# KiCad board ovc5.kicad_pcb (continued)
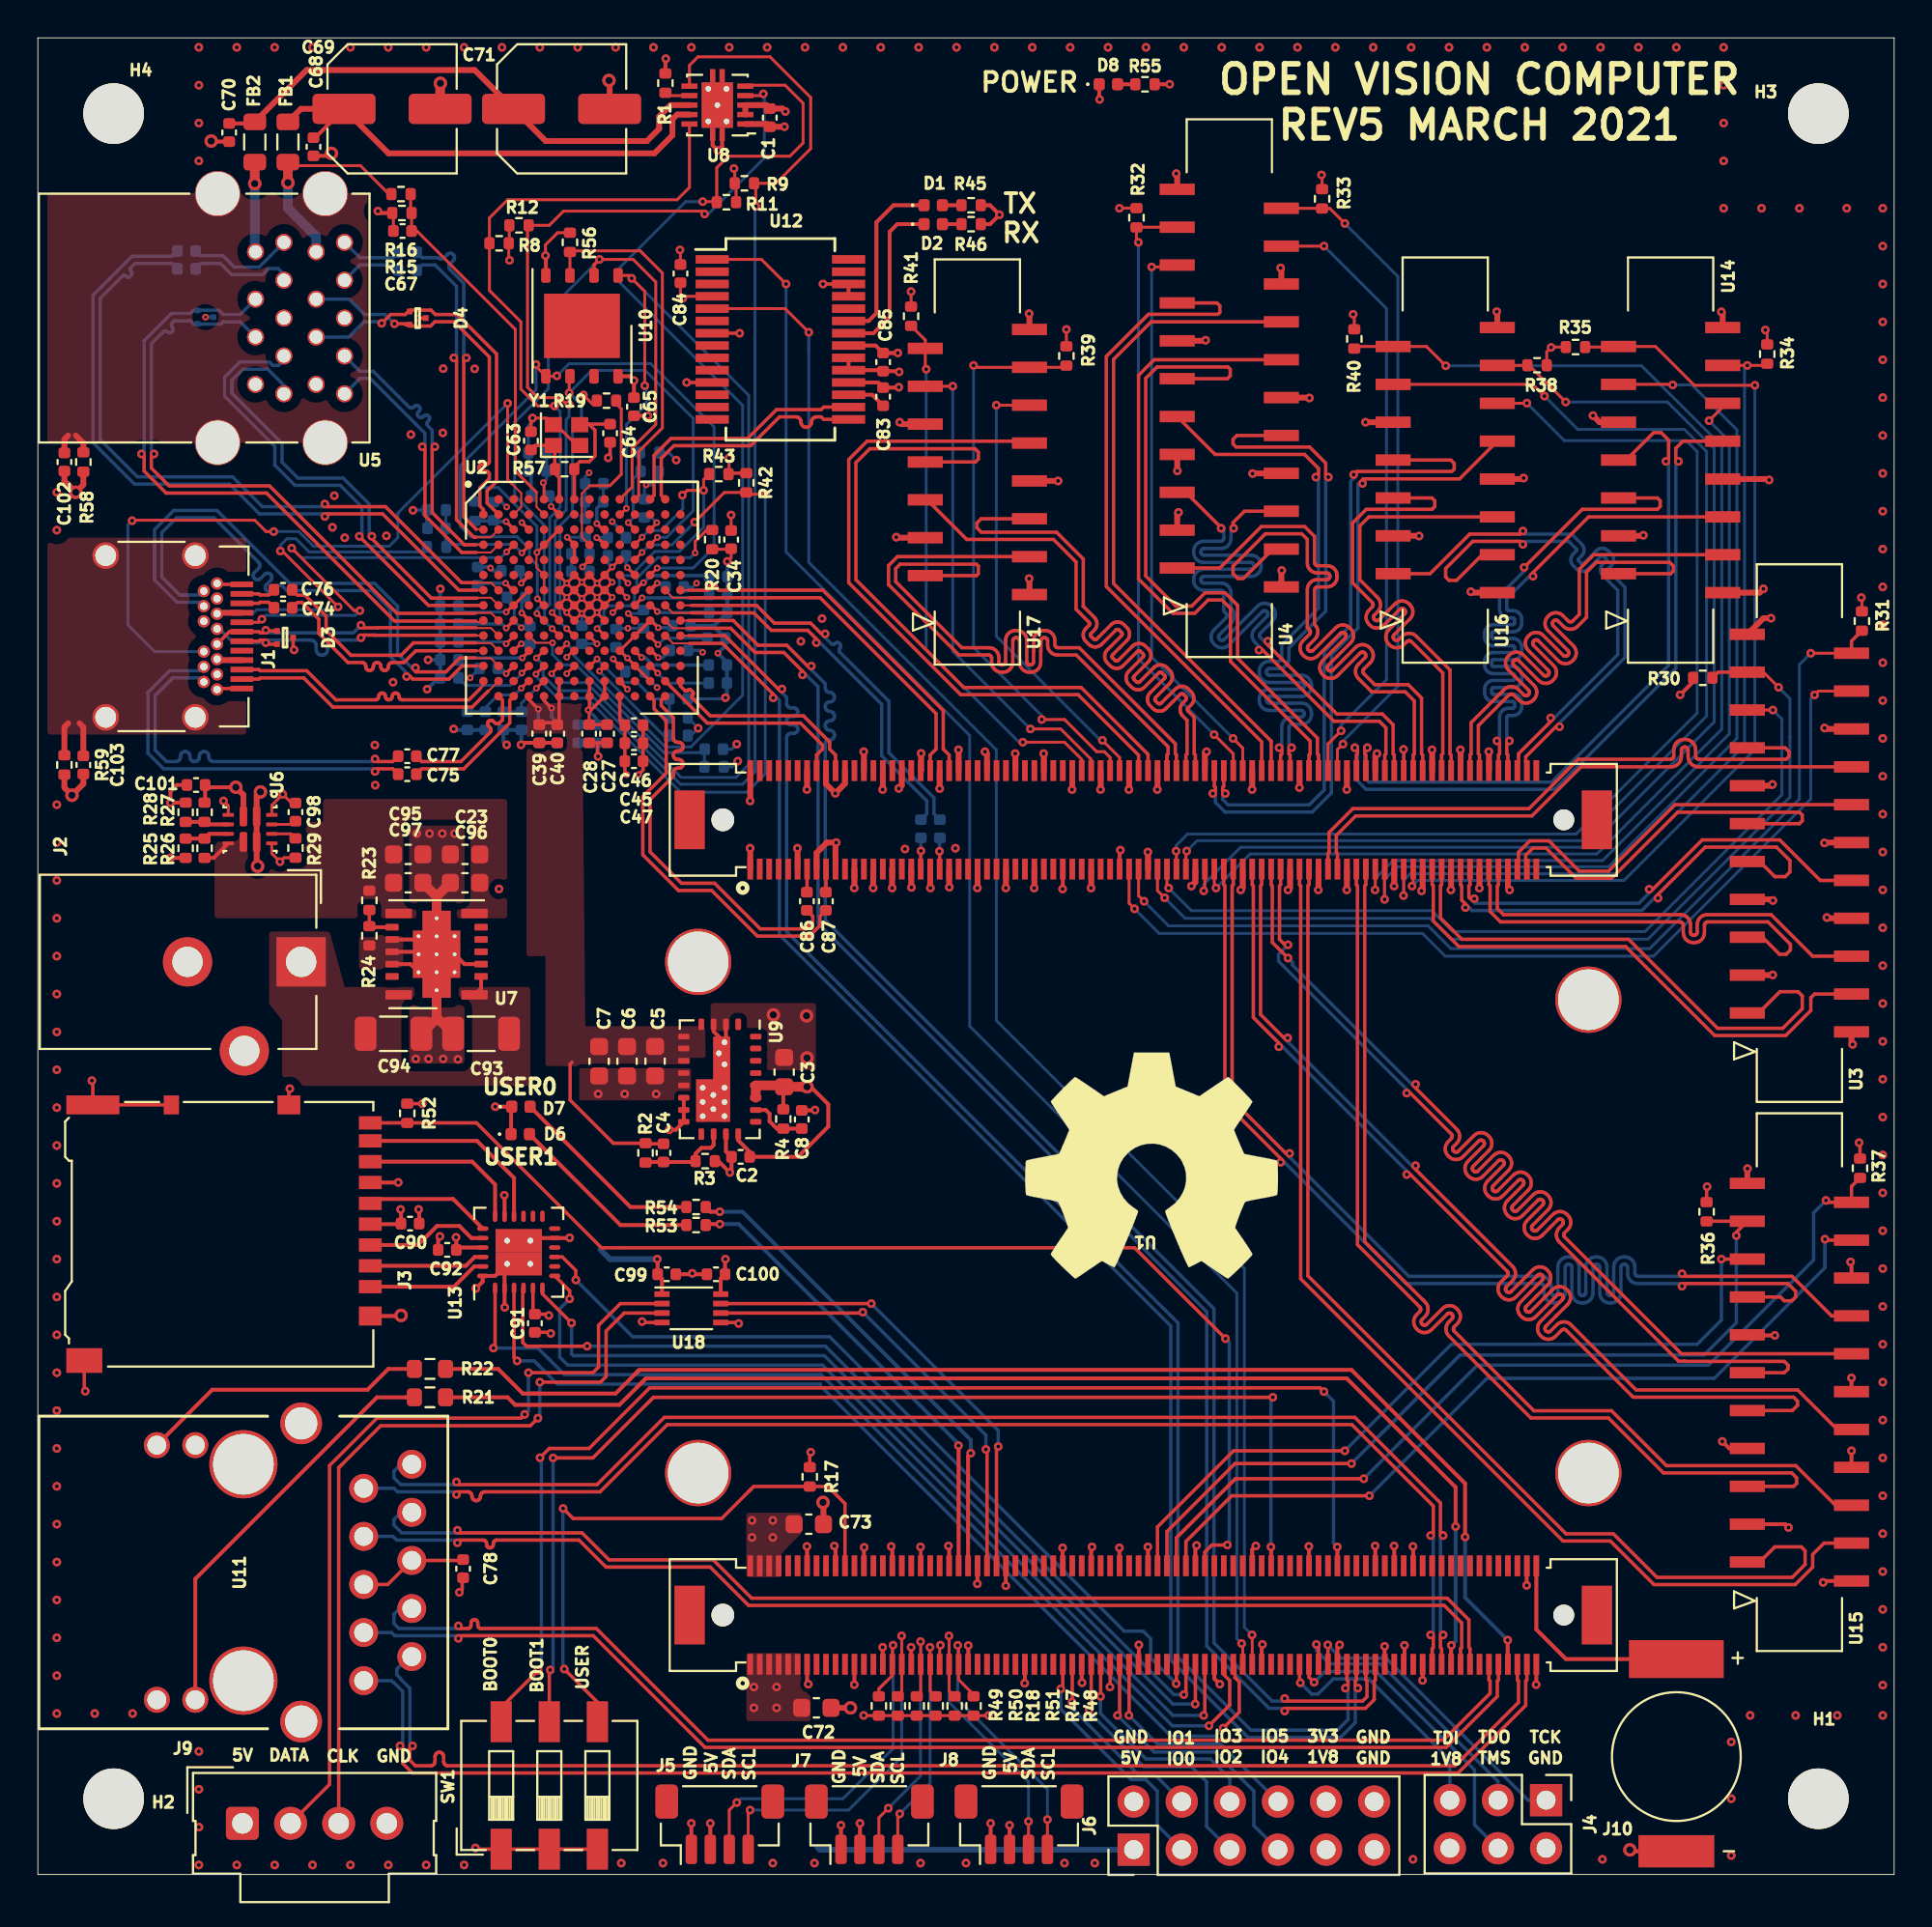
[diagram p0: board, top side]
## Routing (per net, layer and track width the routed paths; a pad name or vN(x,y) marks a point on that pad's centre or on a via; arc(x,y) is an arc through that point) (continued)
  Bottom w0.178: v1(20.96,75.41) 20.82,75.55 20.82,76.28 20.6,76.5 20.57,76.53 20.56,76.56 20.55,76.6 20.55,76.64 20.56,76.68 20.57,76.72 20.6,76.75 20.63,76.78 20.65,76.81 20.67,76.85 20.68,76.88 20.68,76.92 20.67,76.96 20.65,77 20.63,77.03 20.6,77.05 20.56,77.07 20.52,77.08 20.48,77.08 20.44,77.07 20.41,77.05 20.38,77.03 20.35,77 20.31,76.98 20.28,76.96 20.24,76.95 20.2,76.95 20.16,76.96 20.13,76.98 20.09,77 20.07,77.03 20.05,77.07 20.04,77.11 20.04,77.15 20.05,77.18 20.07,77.22 20.09,77.25 20.12,77.28 20.15,77.31 20.17,77.35 20.17,77.39 20.17,77.43 20.17,77.47 20.15,77.5 20.12,77.53 20.09,77.56 20.06,77.57 20.02,77.58 19.98,77.58 19.94,77.57 19.9,77.56 19.87,77.53 19.84,77.5 19.81,77.48 19.78,77.46 19.74,77.45 19.7,77.45 19.66,77.46 19.62,77.48 19.59,77.5 17.7,79.39 17,79.39 U5.15
/USB/USB_H0_TX_CONN_N: length 3.3
  Bottom w0.178: U5.17 17,85.01 18.76,85.01 C79.1
/USB/USB_H0_TX_CONN_P: length 3.3
  Bottom w0.178: U5.18 17,85.39 18.76,85.39 C81.1
/USB/USB_H0_TX_N: length 17.9
  Top w0.102: U2.C2 23.92,70.62 23.12,70.62
  Top w0.178: v1(21.96,80.1) 22.1,79.96 22.1,71.54 23.02,70.62 23.12,70.62
  Bottom w0.178: C79.2 20.29,85.01 20.97,85.01 22.1,83.88 22.1,80.24 v1(21.96,80.1)
/USB/USB_H0_TX_P: length 17.9
  Top w0.102: 23.14,71.05 23.5,71.05 U2.C1
  Top w0.178: v1(22.62,80.1) 22.48,79.96 22.48,71.7 23.14,71.05 23.14,71.05
  Bottom w0.178: C81.2 20.29,85.39 21.13,85.39 21.17,85.36 21.21,85.34 21.26,85.33 21.31,85.33 21.36,85.34 21.41,85.36 21.45,85.39 21.61,85.56 21.65,85.59 21.7,85.61 21.75,85.62 21.8,85.62 21.85,85.61 21.89,85.59 21.93,85.56 21.96,85.52 21.98,85.47 21.99,85.42 21.99,85.37 21.98,85.32 21.96,85.28 21.93,85.24 21.77,85.07 21.73,85.03 21.71,84.99 21.7,84.94 21.7,84.89 21.71,84.84 21.73,84.79 21.77,84.75 22.48,84.04 22.48,80.24 v1(22.62,80.1)
/USB/USB_H1_D_N: length 35.2
  Top w0.102: 23.12,66.2 23.17,66.15 23.44,66.15 U2.J1
  Top w0.178: 23.12,66.2 18.83,66.2 12.07,72.96 6.77,72.96 5.61,74.12 5.61,74.89 v1(5.47,75.03)
  Bottom w0.178: v1(5.47,75.03) 5.61,75.16 5.61,81 7.05,82.44 8.04,82.44 8.2,82.6 8.42,82.6 8.44,82.62 9.56,82.62 9.78,82.39 10.68,82.39 U5.2
/USB/USB_H1_D_P: length 35.2
  Top w0.102: 23.08,66.61 23.1,66.63 23.92,66.63 U2.J2
  Top w0.178: 23.08,66.61 18.96,66.61 12.23,73.34 6.93,73.34 5.99,74.28 5.99,74.89 v1(6.13,75.03)
  Bottom w0.178: v1(6.13,75.03) 5.99,75.16 5.99,80.85 6.61,81.47 6.64,81.49 6.67,81.51 6.71,81.52 6.75,81.52 6.78,81.51 6.82,81.49 6.87,81.45 6.91,81.43 6.94,81.42 6.98,81.42 7.02,81.43 7.05,81.45 7.08,81.47 7.1,81.49 7.12,81.52 7.14,81.55 7.14,81.59 7.14,81.62 7.14,81.66 7.12,81.69 7.07,81.75 7.06,81.78 7.05,81.82 7.05,81.85 7.06,81.89 7.07,81.92 7.1,81.95 7.2,82.06 8.04,82.06 8.2,81.9 8.42,81.9 8.44,81.88 9.66,81.88 9.78,82.01 10.68,82.01 U5.3
/USB/USB_H1_RX_N: length 24.8
  Top w0.102: U2.H2 23.92,67.43 23.19,67.43 23.17,67.41
  Top w0.178: v1(17.63,70.67) 17.63,70.55 20.78,67.41 23.17,67.41
  Bottom w0.178: v1(17.63,70.67) 17.49,70.81 17.49,72.38 16.12,73.75 13.73,73.75 12.89,74.59 12.89,75.58 10.24,78.23 10.24,78.92 10.66,79.34 10.67,79.34 10.82,79.5 12.14,79.5 12.99,78.65 U5.5
/USB/USB_H1_RX_P: length 25.1
  Top w0.102: U2.H1 23.22,67.03
  Top w0.178: U2.H1 20.62,67.03 v1(16.97,70.67)
  Bottom w0.178: v1(16.97,70.67) 17.11,70.81 17.11,72.22 15.96,73.37 13.57,73.37 12.51,74.43 12.51,75.42 9.86,78.07 9.86,79.08 10.66,79.88 12.22,79.88 12.4,79.7 12.7,79.7 12.99,79.99 U5.6
/USB/USB_H1_TX_CONN_N: length 5.6
  Bottom w0.178: U5.8 12.99,84.51 12.68,84.82 12.18,84.82 11.88,84.51 10.22,84.51 9.65,85.08 8.61,85.08 C80.1
/USB/USB_H1_TX_CONN_P: length 5.6
  Bottom w0.178: U5.9 11.68,84.89 10.38,84.89 9.77,85.5 8.58,85.5 C82.1
/USB/USB_H1_TX_N: length 37.2
  Top w0.102: 23.19,68.22 23.93,68.22 U2.G2
  Top w0.178: v1(15.15,72.38) 15.29,72.24 18.35,72.24 22.37,68.22 23.19,68.22
  Bottom w0.178: C80.2 7.09,85.08 5.13,85.08 4.92,84.88 4.9,84.85 4.89,84.82 4.88,84.79 4.88,84.75 4.89,84.72 4.9,84.69 4.94,84.63 4.96,84.6 4.97,84.57 4.97,84.54 4.96,84.5 4.94,84.47 4.92,84.44 4.89,84.41 4.86,84.39 4.83,84.37 4.8,84.37 4.76,84.37 4.73,84.37 4.7,84.39 4.64,84.43 4.61,84.45 4.58,84.45 4.55,84.45 4.51,84.45 4.48,84.43 4.45,84.41 3.29,83.25 3.29,75.78 5.25,73.82 10.28,73.82 11.85,72.24 15.01,72.24 v1(15.15,72.38)
/USB/USB_H1_TX_P: length 37.2
  Top w0.102: U2.G1 23.19,67.83
  Top w0.178: v1(15.15,71.72) 15.29,71.86 18.2,71.86 22.23,67.83 23.19,67.83
  Bottom w0.178: v1(15.15,71.72) 15.01,71.86 11.7,71.86 10.12,73.43 5.1,73.43 2.91,75.62 2.91,83.4 4.97,85.47 7.09,85.47 C82.2
/USB/USB_I2C_SCL: length 39.2
  Top w0.152: 35.98,72.73 35.83,72.58 ; 35.83,72.58 36.24,72.99 R42.2 37.49,72.9 v1(38.4,72.9) ; 35.83,72.58 v1(34.67,71.42) ; v2(31.9,69.82) 31.52,69.45 U2.E11 ; U2.M5 26.72,63.82 v2(26.3,63.4)
  Bottom w0.152: v2(26.3,63.4) 26.3,63.28 27.45,62.12 28.98,62.12 33.94,57.16 37.43,57.16 38.4,58.13 v1(38.4,72.9) ; v1(34.67,71.42) 33.47,70.22 32.3,70.22 v2(31.9,69.82)
/USB/USB_I2C_SDA: length 15.6
  Top w0.152: v2(31.1,67.45) 30.72,67.82 U2.G10 ; R43.2 35.15,73.67 v1(35.15,73.1) 34.28,73.1 v1(34.03,72.85) ; U2.D11 31.52,70.25 v2(31.9,70.62)
  Bottom w0.152: v1(35.15,73.1) 35.15,71.15 33.88,69.88 32.58,69.88 31.3,68.6 30.9,68.6 30.7,68.4 30.7,67.85 31.1,67.45 v2(31.1,67.45) 31.1,67.55 ; v1(34.03,72.85) 34.05,72.83 34.05,72.13 32.9,70.97 32.25,70.97 v2(31.9,70.62)
/USB/USB_SP_nWP: length 19.4
  Top w0.152: U2.A11 31.72,72.83 31.72,75.15 32.97,76.4 32.97,84.58 31.97,85.58 ; 31.97,85.58 31.8,85.75 28.15,85.75 R56.1 U10.3 ; 31.97,85.58 31.83,85.72
/USB/USB_SPI_CLK: length 30.8
  Top w0.152: v1(28.05,78.25) 28.05,79.09 U10.6 ; v2(32.71,70.62) 32.32,70.23 U2.D12 ; U2.K7 28.29,65.43 v2(27.92,65.8)
  Bottom w0.152: v2(32.71,70.62) 33.19,70.62 34.6,72.03 34.6,76.9 32.06,79.44 29.24,79.44 v1(28.05,78.25) 28.7,77.6 28.7,76.96 28.22,76.49 28.22,71.9 27.57,71.24 27.57,66.15 v2(27.92,65.8)
/USB/USB_SPI_CS: length 55.9
  Top w0.152: U2.B10 30.75,71.83 v2(31.07,72.15) ; U10.1 31.2,84.45 v1(31.35,84.3) 32.04,83.61 v1(32.04,78.63) ; U2.M6 27.52,63.82 v2(27.12,63.42)
  Bottom w0.152: v2(27.12,63.42) 27.59,62.95 28.95,62.95 33.96,57.94 36.85,57.94 37.53,58.62 37.53,78.12 v1(31.35,84.3) ; v2(31.07,72.15) 31.07,76.58 32.12,77.63 32.12,78.55 v1(32.04,78.63)
/USB/USB_SPI_DI: length 39.4
  Top w0.152: v2(32.7,69) 32.33,68.63 U2.F12 ; U2.H5 26.72,67.03 v2(26.37,67.37) ; v1(26.3,79.75) 26.3,79.65 U10.5 27.38,79.13 v1(27.4,79.15)
  Bottom w0.152: v1(26.3,79.75) 26.3,78.41 22.3,74.41 22.3,71.2 22.85,70.65 25.3,70.65 25.95,70 25.95,69.55 26.37,69.13 v2(26.37,67.37) ; v2(32.7,69) 34.6,69 35.7,70.1 35.7,76.45 32.36,79.79 28.04,79.79 v1(27.4,79.15)
/USB/USB_SPI_DO: length 38.6
  Top w0.152: U2.J5 26.72,66.23 v2(26.35,66.6) ; U2.A10 31.37,73.28 31.37,75.33 32.62,76.58 32.62,84.1 31.42,85.3 v1(29.65,85.3)
  Top w0.178: v1(29.65,85.3) 29.36,85.01 U10.2
  Bottom w0.152: v1(29.65,85.3) 26.95,82.6 26.95,78.47 25.17,76.69 25.17,72.83 26.73,71.27 26.73,67.18 26.35,66.8 v2(26.35,66.6)
/USB/USB_US0_CC1: length 9.2
  Top w0.102: U2.D8 28.72,70.63 28.72,72.94 29.12,73.35
  Top w0.152: 30.53,77.67 30.8,77.41 30.8,73.95 30.2,73.35 29.12,73.35
/USB/USB_US1_CC1: length 10.1
  Top w0.152: v2(34.7,69.8) 34.7,70.4 35.31,71.01 R20.1 ; v2(29.52,65.8) 29.55,65.8 U2.K9
  Bottom w0.152: v2(29.52,65.8) 29.88,66.15 29.88,66.78 30.11,67.01 31.26,67.01 31.5,67.25 31.5,67.67 31.62,67.79 31.62,68.45 32.72,69.55 34.45,69.55 v2(34.7,69.8)
/USB/USBEN0: length 41.5
  Top w0.152: v1(38.3,94.04) 38.21,93.95 U8.4 ; v1(28.04,77.64) 27.91,77.64 27.55,78 26.4,78 25.85,78.55 25.85,87.04 R12.2 27,87.1 27.75,87.85 35.05,87.85 v1(35.2,87.7) ; v2(27.15,66.65) 27.52,66.28 U2.J6
  Bottom w0.152: v1(28.04,77.64) 28.04,76.99 27.89,76.84 27.89,72.07 27.31,71.49 27.31,66.81 v2(27.15,66.65) ; v1(38.3,94.04) 38.35,93.99 38.35,90.65 35.4,87.7 v1(35.2,87.7)
/USB/USBEN1: length 57.7
  Top w0.152: U8.5 37.4,94.5 39.45,94.5 40.4,93.55 40.4,91.45 39.7,90.75 36.45,90.75 35.84,90.14 R11.2 35.81,88.35 v1(35.1,88.35) ; U2.L6 27.55,64.63 v2(27.92,65)
  Bottom w0.152: v1(35.1,88.35) 34.2,88.35 30.75,84.9 30.75,84.05 37.21,77.59 37.21,62.29 34.47,59.55 33.13,59.55 28.28,64.4 28.28,64.64 v2(27.92,65)
/USB/XRES_DMC: length 4.5
  Top w0.152: v2(31.17,71.4) 31.52,71.05 U2.C11
  Bottom w0.152: 31.79,74.3 31.79,75.25 31.84,75.3 ; C10.1 31.42,73.7 31.42,72.32 31.43,72.32 31.43,71.65 v2(31.17,71.4)
/USB/XRES_PD: length 13.5
  Top w0.102: U2.K4 26.3,65.05 27.17,65.05 v2(27.17,65.05)
  Bottom w0.152: 32.87,59.43 33.05,59.25 35.03,59.25 C11.1 35.19,59.41 R7.2 ; 32.87,59.43 28.42,63.88 27.71,63.88 27.17,64.43 v2(27.17,65.05) ; 32.87,59.43 32.65,59.65
BOOT_MODE0: length 67.3
  Top w0.178: SW1.6 24.46,8.82 v1(26.41,10.77) ; v1(26.51,22.01) 27,22.5 29.1,22.5 32.3,25.7 67.7,25.7 v1(67.9,25.5)
  Top w0.203: v1(68.6,17.3) 68.61,17.29 U1.A126
  Bottom w0.178: v1(26.51,22.01) 26.58,21.94 26.58,10.94 v1(26.41,10.77) ; v1(67.9,25.5) 68.4,25 68.4,17.5 v1(68.6,17.3)
BOOT_MODE1: length 62.9
  Top w0.178: v1(27.05,10.8) 27,10.75 SW1.5 ; v1(65.2,25.2) 32.5,25.2 ; 32.5,25.2 32.08,24.78 ; 32.5,25.2 29.3,22 v1(27.2,22)
  Top w0.203: U1.A112 65.11,17.29 v1(65.1,17.3)
  Bottom w0.178: v1(65.2,25.2) 65.1,25.1 v1(65.1,17.3) ; v1(27.05,10.8) 27.2,10.95 v1(27.2,22)
CAM0_CLK+: length 31.9
  Top w0.178: U3.16 92.25,59.5 92.45,59.3 92.45,59.05 92.3,58.9 87.7,58.9 87.66,58.9 87.62,58.92 87.59,58.94 87.56,58.97 87.54,59 87.53,59.04 87.52,59.08 87.52,59.4 87.51,59.53 87.47,59.64 87.4,59.74 87.32,59.83 87.21,59.9 87.1,59.94 86.98,59.95 86.91,59.95 86.79,59.94 86.67,59.9 86.57,59.83 86.49,59.74 86.42,59.64 86.38,59.53 86.37,59.4 86.37,59.08 86.36,59.04 86.35,59 86.33,58.97 86.3,58.94 86.27,58.92 86.23,58.9 86.19,58.9 81.33,58.9 78.72,56.29 69.42,56.29 68.17,55.04 68.17,53.98 68.11,53.93 U1.B123
CAM0_CLK-: length 32
  Top w0.178: U1.B125 68.61,53.93 68.55,53.98 68.55,54.88 69.58,55.91 78.88,55.91 81.47,58.5 86.22,58.5 86.34,58.51 86.46,58.55 86.56,58.62 86.65,58.7 86.71,58.81 86.75,58.92 86.77,59.04 86.77,59.37 86.77,59.41 86.78,59.45 86.81,59.48 86.83,59.51 86.87,59.53 86.9,59.54 86.94,59.55 86.98,59.54 87.02,59.53 87.06,59.51 87.08,59.48 87.1,59.45 87.12,59.41 87.12,59.37 87.12,59.04 87.14,58.92 87.18,58.81 87.24,58.7 87.33,58.62 87.43,58.55 87.55,58.51 87.67,58.5 U3.15
CAM0_DAT0+: length 24.4
  Top w0.178: U3.10 90.9,53.5 91.7,52.7 92.25,52.7 92.5,52.95 92.5,53.55 91.79,54.26 88.03,54.26 85.53,51.76 v1(85.53,51.57) ; U1.B151 75.11,52.28 75.17,52.22 75.17,51.46 75.37,51.26 v1(75.37,51.07)
  Bottom w0.178: v1(75.37,51.07) 75.56,51.07 75.72,50.91 84.68,50.91 85.34,51.57 v1(85.53,51.57)
CAM0_DAT0-: length 24.3
  Top w0.178: v1(85.07,52.03) 85.26,52.03 87.87,54.64 91.96,54.64 94.1,52.5 U3.9 ; U1.B153 75.61,52.28 75.55,52.22 75.55,51.62 75.64,51.53 v1(75.83,51.53)
  Bottom w0.178: v1(85.07,52.03) 85.07,51.84 84.52,51.29 75.88,51.29 75.83,51.34 v1(75.83,51.53)
CAM0_DAT1+: length 20.9
  Top w0.178: 78.11,53.5 78.17,53.56 ; 78.11,53.5 U1.B163 ; 78.11,53.5 78.17,53.56 78.17,53.88 78.17,53.89 78.17,53.99 78.77,54.59 79.78,54.59 81.38,52.99 82.92,52.99 86.43,56.5 U3.13
CAM0_DAT1-: length 21
  Top w0.178: 78.61,53.5 78.55,53.56 78.55,53.83 78.93,54.21 79.62,54.21 81.22,52.61 83.08,52.61 86.57,56.1 93,56.1 93.15,55.95 93.15,55.65 93,55.5 U3.12 ; 78.61,53.5 78.55,53.56 ; 78.61,53.5 U1.B165
CAM0_DAT2+: length 24
  Top w0.178: U1.B157 76.61,52.28 76.67,52.22 76.67,50.86 77.22,50.31 86.69,50.31 86.73,50.31 86.77,50.29 86.8,50.27 86.83,50.24 86.85,50.21 86.86,50.17 86.87,50.13 86.87,49.74 86.88,49.63 86.92,49.52 86.98,49.42 87.07,49.33 87.17,49.27 87.28,49.23 87.39,49.22 87.46,49.22 87.58,49.23 87.69,49.27 87.79,49.33 87.87,49.42 87.93,49.52 87.97,49.63 87.99,49.74 87.99,50.13 87.99,50.17 88,50.21 88.02,50.24 88.05,50.27 88.09,50.29 88.12,50.31 88.16,50.31 91.34,50.31 92.53,49.12 92.53,48.83 92.3,48.6 91.95,48.6 91.05,49.5 U3.6 89.7,49.5
CAM0_DAT2-: length 23.4
  Top w0.178: U1.B159 77.11,52.28 77.05,52.22 77.05,51.02 77.38,50.69 86.72,50.69 86.84,50.68 86.95,50.64 87.05,50.58 87.13,50.49 87.2,50.39 87.24,50.28 87.25,50.16 87.25,49.78 87.25,49.74 87.27,49.7 87.29,49.67 87.32,49.64 87.35,49.62 87.39,49.6 87.43,49.6 87.47,49.6 87.5,49.62 87.54,49.64 87.57,49.67 87.59,49.7 87.6,49.74 87.6,49.78 87.6,50.16 87.62,50.28 87.66,50.39 87.72,50.49 87.8,50.58 87.9,50.64 88.01,50.68 88.13,50.69 91.51,50.69 93.7,48.5 U3.5
CAM0_DAT3+: length 28.7
  Top w0.178: U1.B145 73.61,52.28 73.67,52.22 73.67,50.36 75.02,49.01 83.82,49.01 88.52,44.31 92.28,44.31 93.6,45.63 93.6,46.3 93.8,46.5 U3.3
CAM0_DAT3-: length 28.7
  Top w0.178: U1.B147 74.11,52.28 74.05,52.22 74.05,50.52 75.18,49.39 83.98,49.39 88.68,44.69 92.12,44.69 93.15,45.72 93.15,46.4 92.92,46.62 91.97,46.62 90.85,45.5 U3.2
CAM0_ENABLE: length 43.5
  Top w0.152: v1(59.7,52.1) 59.61,52.19 U1.B89 ; v1(91.6,61.5) U3.18
  Bottom w0.152: 92.08,57.03 91.97,56.92 ; 92.08,57.03 92.08,61.02 v1(91.6,61.5) ; 92.08,57.03 84.85,49.8 74.7,49.8 73.6,50.9 60.9,50.9 v1(59.7,52.1)
CAM0_SCL: length 48.8
  Top w0.152: U1.B87 59.11,51.96 v1(59.49,51.58) ; U3.20 91.1,63.5 v1(91.9,62.7)
  Top w0.178: R30.2 88.71,63.5 U3.20
  Bottom w0.152: v1(59.49,51.58) 60.57,50.5 73.5,50.5 74.6,49.4 85,49.4 92.5,56.9 92.5,60.1 ; 92.5,60.1 92.5,60 ; 92.5,60.1 92.5,62.1 v1(91.9,62.7)
CAM0_SDA: length 52.2
  Top w0.152: v1(93.6,64.5) U3.21 ; v1(58.4,51.4) 58.11,51.69 U1.B83
  Top w0.178: U3.21 95.75,65.14 R31.2
  Bottom w0.152: v1(58.4,51.4) 59.7,50.1 73.4,50.1 74.6,48.9 85.1,48.9 93,56.8 93,63.9 v1(93.6,64.5)
CAM0_TRIGGER: length 50
  Top w0.152: U1.B81 57.61,51.29 v1(57.9,51) ; v1(93.8,62.3) 94,62.5 U3.19
  Bottom w0.152: v1(57.9,51) 59.2,49.7 73.1,49.7 74.3,48.5 85.3,48.5 93.6,56.8 93.6,62.1 v1(93.8,62.3)
CAM1_CLK+: length 34.9
  Top w0.178: U4.16 62.25,83 62.4,82.85 62.4,82.5 62.3,82.4 58.63,82.4 56.41,80.18 56.41,68.02 64.61,59.82 U1.B110
CAM1_CLK-: length 34.8
  Top w0.178: U1.B112 65.11,59.86 56.79,68.18 56.79,80.02 58.77,82 U4.15
CAM1_DAT0+: length 33.6
  Top w0.178: U1.B114 65.61,59.13 65.67,59.18 65.67,59.37 v1(65.53,59.51) ; v1(67.47,73.8) 67.61,73.94 67.61,74.26 66.87,75 62.15,75 U4.10
  Bottom w0.178: v1(67.47,73.8) 67.61,73.66 67.61,66.88 65.67,64.94 65.67,64.25 65.67,64.21 65.65,64.17 65.63,64.14 65.6,64.11 65.57,64.09 65.53,64.08 65.49,64.07 65.01,64.07 64.89,64.06 64.78,64.02 64.68,63.96 64.59,63.87 64.53,63.77 64.49,63.66 64.48,63.55 64.48,63.48 64.49,63.36 64.53,63.25 64.59,63.15 64.68,63.07 64.78,63.01 64.89,62.97 65.01,62.96 66.68,62.96 66.72,62.95 66.76,62.94 66.79,62.92 66.82,62.89 66.84,62.85 66.86,62.82 66.86,62.78 66.86,62.74 66.84,62.7 66.82,62.67 66.79,62.64 66.76,62.62 66.72,62.6 66.68,62.6 65.01,62.6 64.89,62.59 64.78,62.55 64.68,62.48 64.59,62.4 64.53,62.3 64.49,62.19 64.48,62.07 64.48,62.01 64.49,61.89 64.53,61.78 64.59,61.68 64.68,61.6 64.78,61.53 64.89,61.5 65.01,61.48 66.68,61.48 66.72,61.48 66.76,61.46 66.79,61.44 66.82,61.41 66.84,61.38 66.86,61.34 66.86,61.3 66.86,61.26 66.84,61.23 66.82,61.19 66.79,61.17 66.76,61.14 66.72,61.13 66.68,61.13 66.2,61.13 66.08,61.11 65.97,61.07 65.87,61.01 65.78,60.93 65.72,60.83 65.68,60.72 65.67,60.6 65.67,59.65 v1(65.53,59.51)
CAM1_DAT0-: length 33.5
  Top w0.178: v1(68.13,73.8) 67.99,73.94 67.99,74.54 67.14,75.39 63.26,75.39 63.1,75.55 63.1,75.8 63.3,76 U4.9 ; U1.B116 66.11,59.13 66.05,59.18 66.05,59.37 v1(66.19,59.51)
  Bottom w0.178: v1(68.13,73.8) 67.99,73.66 67.99,66.72 66.05,64.78 66.05,64.22 66.04,64.1 66,63.99 65.94,63.89 65.85,63.81 65.75,63.74 65.64,63.7 65.52,63.69 65.04,63.69 65,63.69 64.96,63.67 64.93,63.65 64.9,63.62 64.88,63.59 64.86,63.55 64.86,63.51 64.86,63.47 64.88,63.44 64.9,63.4 64.93,63.37 64.96,63.35 65,63.34 65.04,63.34 66.71,63.34 66.83,63.32 66.94,63.28 67.04,63.22 67.13,63.14 67.19,63.04 67.23,62.93 67.24,62.81 67.24,62.75 67.23,62.63 67.19,62.52 67.13,62.42 67.04,62.33 66.94,62.27 66.83,62.23 66.71,62.22 65.04,62.22 65,62.21 64.96,62.2 64.93,62.18 64.9,62.15 64.88,62.12 64.86,62.08 64.86,62.04 64.86,62 64.88,61.96 64.9,61.93 64.93,61.9 64.96,61.88 65,61.87 65.04,61.86 66.71,61.86 66.83,61.85 66.94,61.81 67.04,61.75 67.13,61.66 67.19,61.56 67.23,61.45 67.24,61.34 67.24,61.27 67.23,61.15 67.19,61.04 67.13,60.94 67.04,60.86 66.94,60.8 66.83,60.76 66.71,60.75 66.23,60.75 66.19,60.74 66.15,60.73 66.12,60.71 66.09,60.68 66.07,60.64 66.05,60.61 66.05,60.57 66.05,59.65 v1(66.19,59.51)
CAM1_DAT1+: length 35
  Top w0.178: U1.B120 67.11,59.13 67.17,59.18 67.17,59.86 62.96,64.07 62.96,66.87 62.52,67.31 61.78,67.31 61.08,66.61 59.92,66.61 58.11,68.42 58.11,79.18 58.93,80 U4.13
CAM1_DAT1-: length 35
  Top w0.178: U1.B122 67.61,59.13 67.55,59.18 67.55,60.02 63.34,64.23 63.34,67.03 62.68,67.69 61.62,67.69 60.92,66.99 60.08,66.99 58.49,68.58 58.49,79.02 59.09,79.62 62.83,79.62 62.95,79.5 62.95,79.15 62.8,79 U4.12
CAM1_DAT2+: length 34.8
  Top w0.178: U1.B136 71.11,59.13 71.17,59.18 71.17,60.56 70.82,60.91 68.42,60.91 64.66,64.67 v1(64.47,64.67) ; v1(62.47,71.1) 62.47,71.13 60.6,73 U4.6
  Bottom w0.178: v1(62.47,71.1) 62.61,70.96 62.61,70.59 62.61,70.55 62.59,70.51 62.57,70.48 62.54,70.45 62.51,70.43 62.47,70.42 62.43,70.41 61.55,70.41 61.43,70.4 61.32,70.36 61.22,70.3 61.13,70.21 61.07,70.11 61.03,70 61.02,69.89 61.02,69.82 61.03,69.7 61.07,69.59 61.13,69.49 61.22,69.41 61.32,69.35 61.43,69.31 61.55,69.3 64.02,69.3 64.06,69.29 64.1,69.28 64.13,69.26 64.16,69.23 64.18,69.19 64.2,69.16 64.2,69.12 64.2,69.08 64.18,69.04 64.16,69.01 64.13,68.98 64.1,68.96 64.06,68.94 64.02,68.94 61.55,68.94 61.43,68.93 61.32,68.89 61.22,68.82 61.13,68.74 61.07,68.64 61.03,68.53 61.02,68.41 61.02,68.35 61.03,68.23 61.07,68.12 61.13,68.02 61.22,67.94 61.32,67.87 61.43,67.84 61.55,67.82 62.43,67.82 62.47,67.82 62.51,67.8 62.54,67.78 62.57,67.75 62.59,67.72 62.61,67.68 62.61,67.64 62.61,66.72 62.72,66.61 62.75,66.58 62.76,66.54 62.77,66.5 62.77,66.46 62.76,66.43 62.75,66.39 62.72,66.36 62.09,65.73 62.02,65.64 61.97,65.53 61.94,65.42 61.94,65.3 61.97,65.19 62.02,65.08 62.09,64.99 62.14,64.94 62.23,64.87 62.34,64.82 62.45,64.79 62.57,64.79 62.69,64.82 62.79,64.87 62.88,64.94 64.64,66.69 64.67,66.72 64.7,66.73 64.74,66.74 64.78,66.74 64.82,66.73 64.86,66.72 64.89,66.69 64.91,66.66 64.93,66.63 64.94,66.59 64.94,66.55 64.93,66.51 64.91,66.47 64.89,66.44 64.26,65.81 64.19,65.72 64.14,65.62 64.11,65.5 64.11,65.38 64.14,65.27 64.19,65.16 64.26,65.07 64.47,64.86 v1(64.47,64.67)
CAM1_DAT2-: length 34.8
  Top w0.178: v1(64.93,65.13) 64.93,64.94 68.58,61.29 70.98,61.29 71.55,60.72 71.55,59.18 71.61,59.13 U1.B138 ; U4.5 63.7,72 63.1,71.4 63.1,71.13 v1(63.13,71.1)
  Bottom w0.178: v1(64.93,65.13) 64.74,65.13 64.55,65.32 64.53,65.35 64.51,65.38 64.5,65.42 64.5,65.46 64.51,65.5 64.53,65.54 64.55,65.57 65.18,66.19 65.25,66.29 65.3,66.39 65.33,66.51 65.33,66.63 65.3,66.74 65.25,66.85 65.18,66.94 65.13,66.98 65.04,67.06 64.94,67.11 64.82,67.14 64.7,67.14 64.59,67.11 64.48,67.06 64.39,66.98 62.64,65.23 62.61,65.21 62.57,65.19 62.53,65.18 62.49,65.18 62.45,65.19 62.42,65.21 62.39,65.23 62.36,65.26 62.34,65.3 62.34,65.34 62.34,65.38 62.34,65.42 62.36,65.45 62.39,65.48 63.01,66.11 63.09,66.2 63.14,66.31 63.16,66.42 63.16,66.54 63.14,66.66 63.09,66.76 63.01,66.86 62.99,66.88 62.99,67.68 62.98,67.79 62.94,67.9 62.88,68 62.79,68.09 62.69,68.15 62.58,68.19 62.46,68.2 61.58,68.2 61.54,68.21 61.5,68.22 61.47,68.24 61.44,68.27 61.42,68.3 61.4,68.34 61.4,68.38 61.4,68.42 61.42,68.46 61.44,68.49 61.47,68.52 61.5,68.54 61.54,68.55 61.58,68.56 64.05,68.56 64.17,68.57 64.28,68.61 64.38,68.67 64.47,68.76 64.53,68.86 64.57,68.97 64.58,69.09 64.58,69.15 64.57,69.27 64.53,69.38 64.47,69.48 64.38,69.56 64.28,69.62 64.17,69.66 64.05,69.68 61.58,69.68 61.54,69.68 61.5,69.69 61.47,69.71 61.44,69.74 61.42,69.78 61.4,69.81 61.4,69.85 61.4,69.89 61.42,69.93 61.44,69.96 61.47,69.99 61.5,70.01 61.54,70.03 61.58,70.03 62.46,70.03 62.58,70.04 62.69,70.08 62.79,70.15 62.88,70.23 62.94,70.33 62.98,70.44 62.99,70.56 62.99,70.96 v1(63.13,71.1)
CAM1_DAT3+: length 33.8
  Top w0.178: U4.3 65.2,70 63.65,68.45 63.35,68.45 63.1,68.7 63.1,69.1 64.81,70.81 66.72,70.81 67.02,70.51 67.02,69.27 67.03,69.15 67.07,69.04 67.13,68.94 67.22,68.86 67.32,68.79 67.43,68.75 67.55,68.74 68.03,68.74 68.07,68.74 68.11,68.72 68.14,68.7 68.17,68.67 68.19,68.64 68.21,68.6 68.21,68.56 68.21,68.52 68.19,68.49 68.17,68.45 68.14,68.42 68.11,68.4 68.07,68.39 68.03,68.39 67.55,68.39 67.43,68.37 67.32,68.33 67.22,68.27 67.13,68.19 67.07,68.09 67.03,67.98 67.02,67.86 67.02,65.86 67.13,65.75 67.16,65.72 67.17,65.68 67.18,65.64 67.18,65.6 67.17,65.57 67.16,65.53 67.13,65.5 66.79,65.15 66.71,65.06 66.66,64.96 66.64,64.84 66.64,64.72 66.66,64.61 66.71,64.5 66.79,64.41 66.83,64.36 66.93,64.29 67.03,64.24 67.15,64.21 67.26,64.21 67.38,64.24 67.49,64.29 67.58,64.36 68.76,65.55 68.79,65.57 68.83,65.59 68.87,65.6 68.91,65.6 68.95,65.59 68.98,65.57 69.01,65.55 69.04,65.52 69.06,65.48 69.07,65.44 69.07,65.4 69.06,65.37 69.04,65.33 69.01,65.3 67.83,64.11 67.76,64.02 67.7,63.91 67.68,63.8 67.68,63.68 67.7,63.57 67.76,63.46 67.83,63.37 67.87,63.32 67.97,63.25 68.07,63.2 68.19,63.17 68.31,63.17 68.42,63.2 68.53,63.25 68.62,63.32 69.8,64.51 69.84,64.53 69.87,64.55 69.91,64.56 69.95,64.56 69.99,64.55 70.03,64.53 70.06,64.51 70.08,64.48 70.1,64.44 70.11,64.4 70.11,64.36 70.1,64.32 70.08,64.29 70.06,64.26 69.71,63.91 69.64,63.82 69.59,63.71 69.56,63.6 69.56,63.48 69.59,63.37 69.64,63.26 69.71,63.17 70.42,62.46 72.19,62.46 72.67,61.98 72.67,59.18 72.61,59.13 U1.B142
CAM1_DAT3-: length 33.9
  Top w0.178: U1.B144 73.11,59.13 73.05,59.18 73.05,62.14 72.35,62.84 70.58,62.84 70,63.41 69.98,63.45 69.96,63.48 69.95,63.52 69.95,63.56 69.96,63.6 69.98,63.63 70,63.67 70.35,64.01 70.42,64.1 70.47,64.21 70.5,64.32 70.5,64.44 70.47,64.56 70.42,64.66 70.35,64.75 70.3,64.8 70.21,64.87 70.1,64.92 69.99,64.95 69.87,64.95 69.76,64.92 69.65,64.87 69.56,64.8 68.37,63.61 68.34,63.59 68.31,63.57 68.27,63.56 68.23,63.56 68.19,63.57 68.15,63.59 68.12,63.61 68.1,63.65 68.08,63.68 68.07,63.72 68.07,63.76 68.08,63.8 68.1,63.83 68.12,63.87 69.31,65.05 69.38,65.14 69.43,65.25 69.46,65.36 69.46,65.48 69.43,65.6 69.38,65.7 69.31,65.8 69.26,65.84 69.17,65.92 69.06,65.97 68.95,65.99 68.83,65.99 68.71,65.97 68.61,65.92 68.52,65.84 67.33,64.66 67.3,64.63 67.26,64.61 67.23,64.61 67.19,64.61 67.15,64.61 67.11,64.63 67.08,64.66 67.05,64.69 67.04,64.72 67.03,64.76 67.03,64.8 67.04,64.84 67.05,64.88 67.08,64.91 67.42,65.25 67.5,65.34 67.55,65.45 67.57,65.56 67.57,65.68 67.55,65.8 67.5,65.9 67.42,66 67.4,66.02 67.4,67.83 67.4,67.87 67.42,67.9 67.44,67.94 67.47,67.97 67.5,67.99 67.54,68 67.58,68 68.06,68 68.18,68.02 68.29,68.06 68.39,68.12 68.48,68.2 68.54,68.3 68.58,68.41 68.59,68.53 68.59,68.6 68.58,68.71 68.54,68.82 68.48,68.92 68.39,69.01 68.29,69.07 68.18,69.11 68.06,69.12 67.58,69.12 67.54,69.13 67.5,69.14 67.47,69.16 67.44,69.19 67.42,69.22 67.4,69.26 67.4,69.3 67.4,70.67 66.88,71.19 64.59,71.19 62.4,69 U4.2
CAM1_ENABLE: length 30
  Top w0.152: v1(58.8,84.9) 60.05,84.9 U4.18 ; U1.B106 63.61,59.49 v1(63.1,60)
  Bottom w0.152: v1(63.1,60) 58.8,64.3 v1(58.8,84.9)
CAM1_SCL: length 33
  Top w0.152: U4.20 58.01,87 R32.2 58,86.3 v1(58.1,86.2) ; U1.B104 63.11,59.19 v1(62.1,60.2)
  Bottom w0.152: v1(62.1,60.2) 58.1,64.2 v1(58.1,86.2)
CAM1_SDA: length 35.1
  Top w0.152: v1(68.9,59.7) 68.61,59.41 U1.B126 ; v1(69,87.2) 68.21,87.99 R33.2 67.79,88 U4.21
  Bottom w0.152: v1(69,87.2) 71.8,84.4 71.8,62.75 68.9,59.85 v1(68.9,59.7)
CAM1_TRIGGER: length 32.7
  Top w0.152: v1(68.8,60.4) 68.11,59.71 U1.B124 ; v1(67.9,86) U4.19
  Bottom w0.152: v1(67.9,86) 71.2,82.7 71.2,63.1 70.25,62.15 ; 70.25,62.15 70.3,62.2 ; 70.25,62.15 68.8,60.7 v1(68.8,60.4)
CAM2_CLK+: length 37.1
  Top w0.178: v1(69.53,59.51) 69.67,59.37 69.67,59.18 69.61,59.13 U1.B130 ; U14.9 86.85,75.7 86.48,75.33 86.48,74.77 v1(86.61,74.63)
  Bottom w0.178: v1(69.53,59.51) 69.67,59.37 69.67,57.76 70.12,57.31 80.08,57.31 86.48,63.71 86.48,74.49 v1(86.61,74.63)
CAM2_CLK-: length 37.1
  Top w0.178: U14.8 83.85,74.7 85.3,76.15 85.7,76.15 86.1,75.75 86.1,75.55 86.09,75.54 86.09,74.77 v1(85.95,74.63) ; U1.B132 70.11,59.13 70.05,59.18 70.05,59.37 v1(70.19,59.51)
  Bottom w0.178: v1(70.19,59.51) 70.05,59.37 70.05,57.92 70.28,57.69 79.92,57.69 86.09,63.86 86.09,74.49 v1(85.95,74.63)
CAM2_DAT0+: length 31.9
  Top w0.178: U1.B154 75.61,59.13 75.67,59.18 75.67,60.84 77.42,62.59 77.51,62.66 77.62,62.71 77.73,62.74 77.85,62.74 77.96,62.71 78.07,62.66 78.16,62.59 78.44,62.31 78.47,62.29 78.51,62.27 78.54,62.26 78.58,62.26 78.62,62.27 78.66,62.29 78.69,62.31 78.71,62.34 78.73,62.38 78.74,62.42 78.74,62.46 78.73,62.49 78.71,62.53 78.69,62.56 77.64,63.61 77.57,63.7 77.51,63.81 77.49,63.93 77.49,64.04 77.51,64.16 77.57,64.27 77.64,64.36 77.68,64.4 77.78,64.48 77.88,64.53 78,64.55 78.12,64.55 78.23,64.53 78.34,64.48 78.43,64.4 79.48,63.35 79.51,63.33 79.55,63.31 79.59,63.3 79.63,63.3 79.66,63.31 79.7,63.33 79.73,63.35 79.76,63.38 79.77,63.42 79.78,63.46 79.78,63.5 79.77,63.54 79.76,63.57 79.73,63.6 78.68,64.65 78.61,64.75 78.56,64.85 78.53,64.97 78.53,65.09 78.56,65.2 78.61,65.31 78.68,65.4 78.73,65.44 78.82,65.52 78.92,65.57 79.04,65.6 79.16,65.6 79.27,65.57 79.38,65.52 79.47,65.44 80.52,64.39 80.55,64.37 80.59,64.35 80.63,64.34 80.67,64.34 80.71,64.35 80.74,64.37 80.77,64.39 80.8,64.42 80.82,64.46 80.82,64.5 80.82,64.54 80.82,64.58 80.8,64.61 80.77,64.64 79.72,65.7 79.65,65.79 79.6,65.89 79.57,66.01 79.57,66.13 79.6,66.24 79.65,66.35 79.72,66.44 79.77,66.49 79.86,66.56 79.97,66.61 80.08,66.64 80.2,66.64 80.31,66.61 80.42,66.56 80.51,66.49 80.79,66.21 80.82,66.18 80.86,66.17 80.89,66.16 80.93,66.16 80.97,66.17 81.01,66.18 81.04,66.21 81.38,66.55 81.38,68.94 82.14,69.7 U14.3
